# Altium PCB M5_CORE2_re.PcbDoc (part 2 of 3)
Units mm, origin at the board's own origin, x right, y up, seen from the top; angles counter-clockwise.
Board outline 48 x 49.5 mm, 4 copper layers (Top Layer, GND, PWR, Bottom Layer), stack 1.561 mm thick; 165 components, 118 nets, 612 pads, 248 vias.
Unrouted connection lines stored in the file: 4.
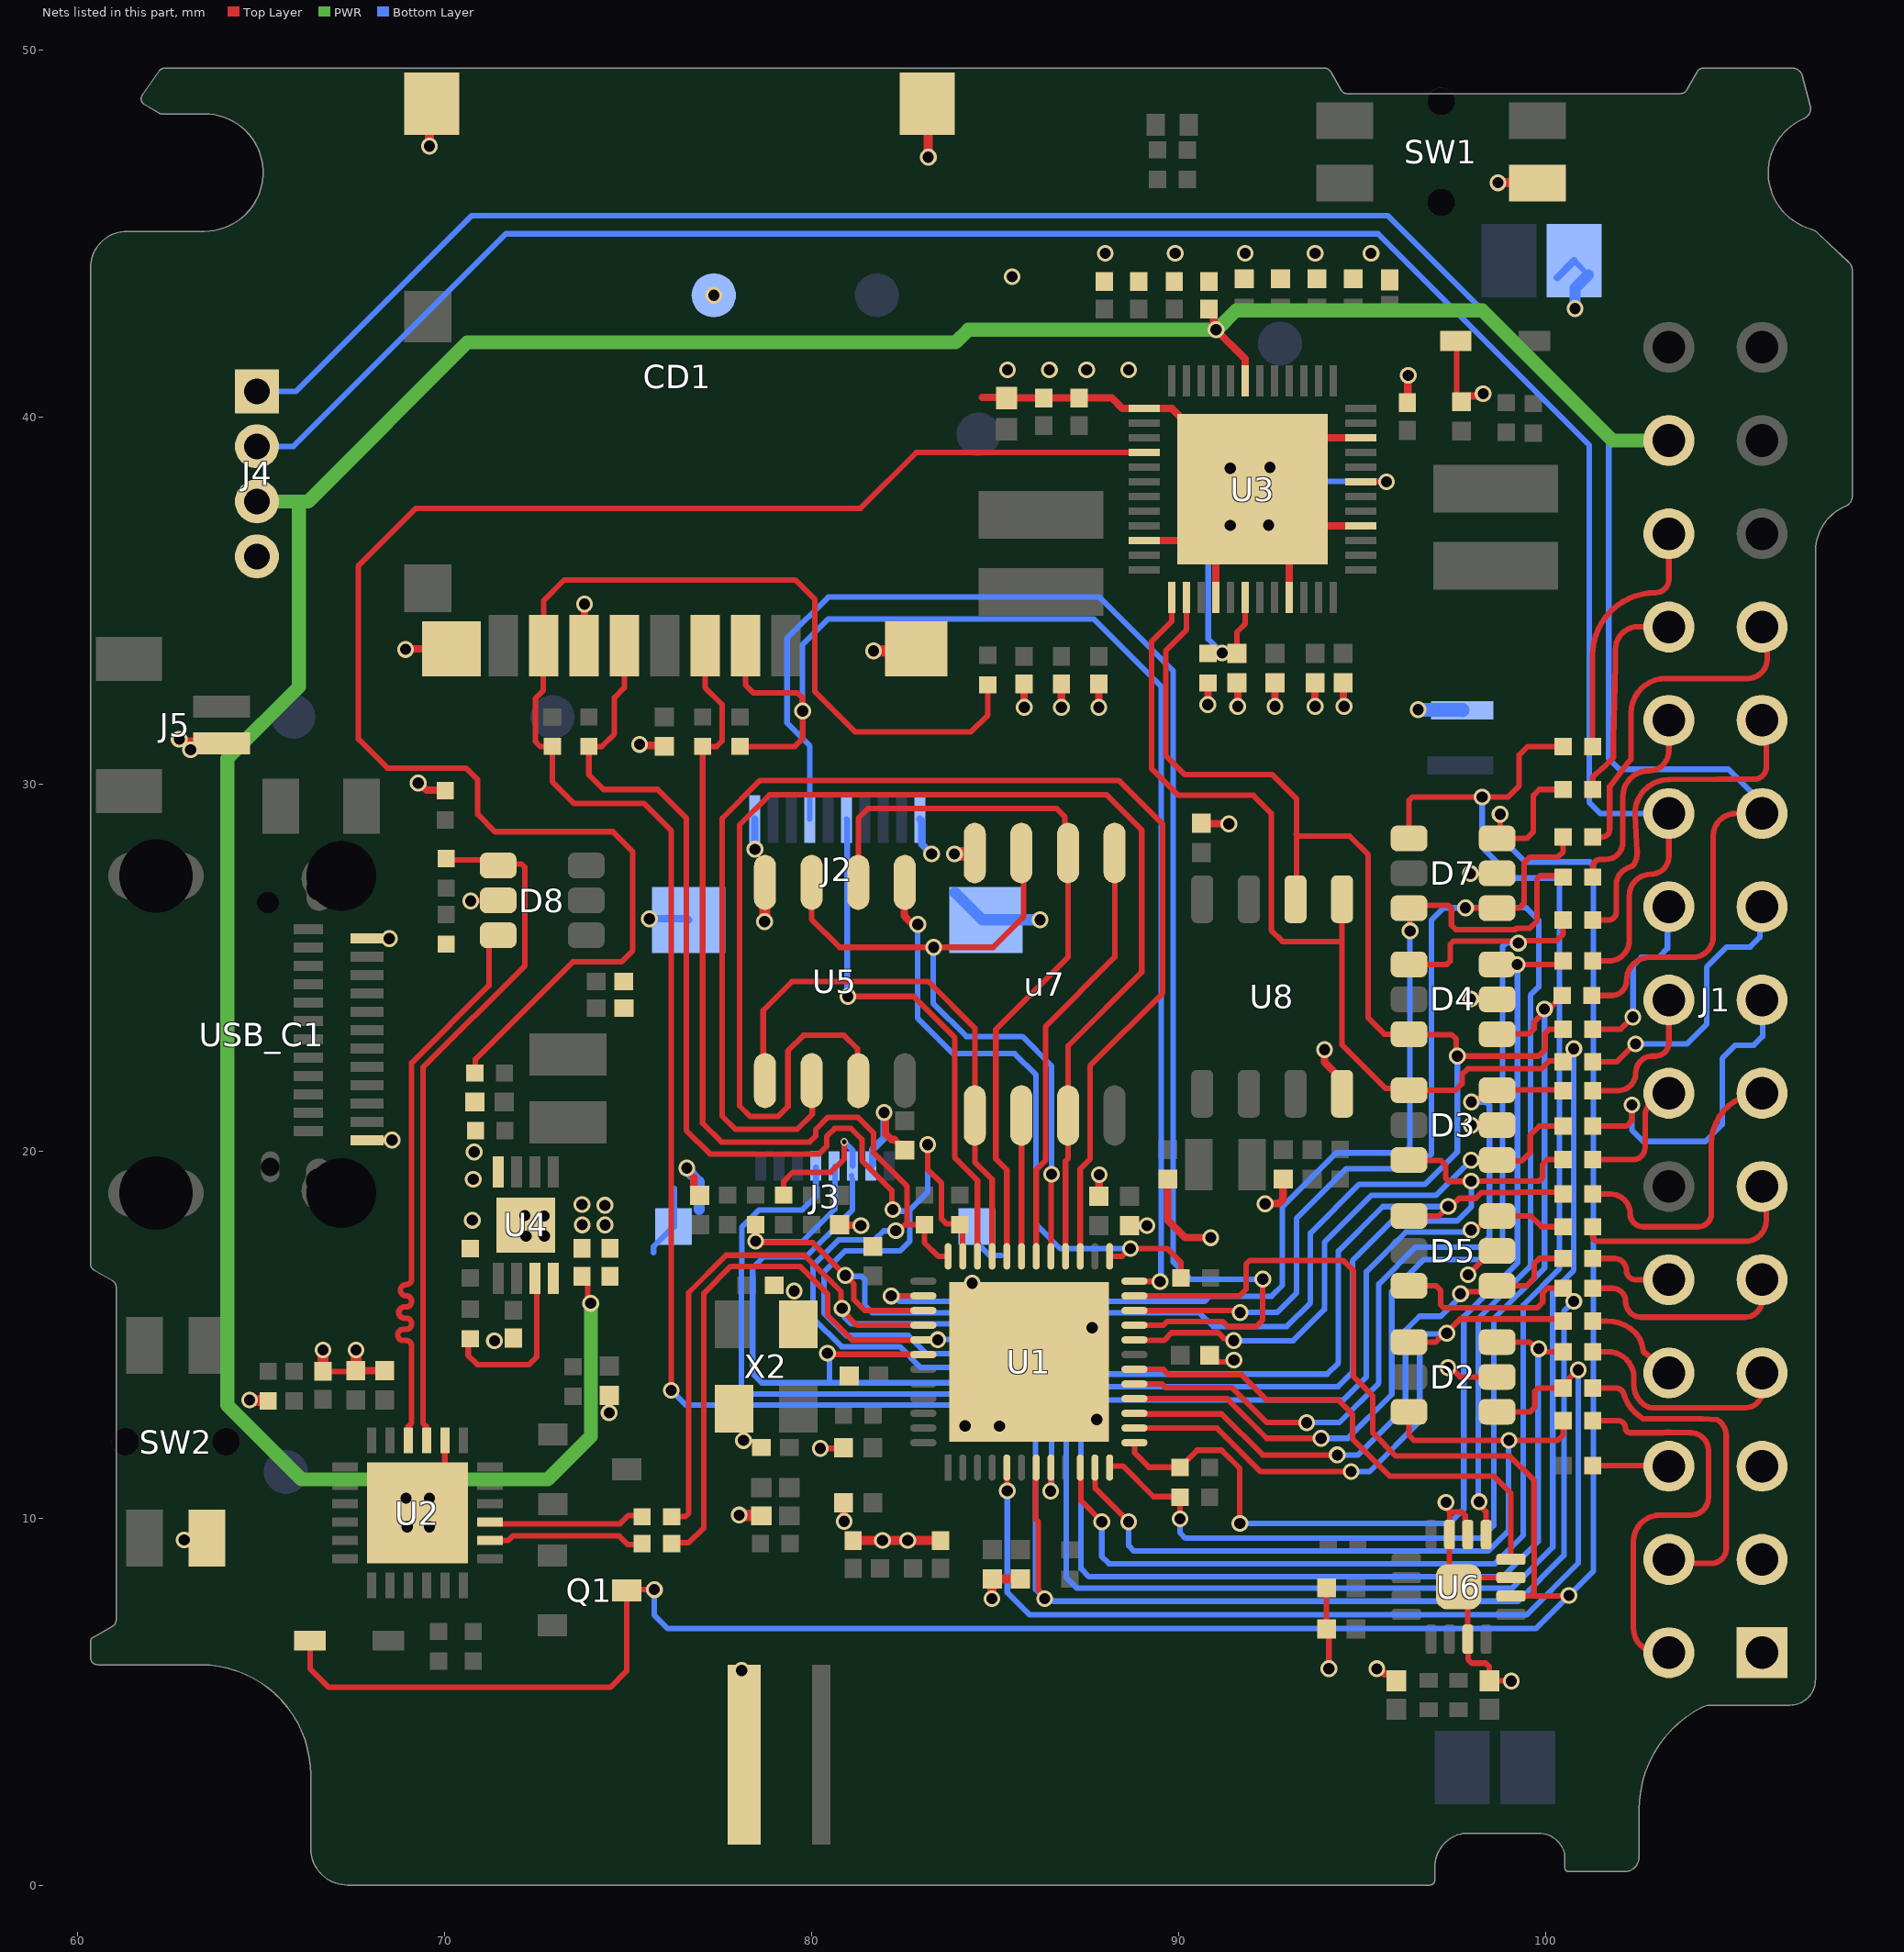
[diagram p4: the nets of this part, all layers, seen from the top]

## Part data (continued)
R6: library part CMP-2002-05265-2, "Thick Film Chip Resistors 0402 51Ω 0.0625W 1% 100ppm/°C", Case Code (Imperial)=0402, Case Code (Metric)=1005, Manufacturer=Bourns, Manufacturer Part Number=CR0402-FX-51R0GLF, Max Operating Temperature=125°C, Max Power Dissipation=63mW, Min Operating Temperature=-55°C, Package Quantity=10000, Power Rating=62.5mW, Resistance=51R, Temperature Coefficient=100ppm/°C, Tolerance=1%, Voltage Rating=50V, Case/Package=0402, Composition="Thick Film", Contact Plating=Tin, Depth=0.5mm, Height=0.016inch, Length=1mm, Military Standard=Not, Mount="Surface Mount", Number of Terminations=2, Packaging="Tape and Reel", Radiation Hardening=No, Termination=SMD/SMT, Thickness=356um, Width=0.02inch
R13: library part CMP-26527-000100-1, "200kΩ ±1% 0.063W 0402 Thick Film Chip Resistor AEC-Q200 compliant", Case Code (Imperial)=0402, Case Code (Metric)=1005, Manufacturer="Stackpole Electronics", Manufacturer Part Number=RMCF0402FT200K, Max Operating Temperature=155°C, Max Power Dissipation=63mW, Min Operating Temperature=-55°C, Resistance=200kR, Resistor Type="Thick Film", Temperature Coefficient=100ppm/°C, Tolerance=1%, Case/Package=0402, Contact Plating=Tin, Features="Automotive AEC-Q200", Height=0.016inch, Lead Free="Lead Free", Length=0.039inch, Mount="Surface Mount", Number of Terminations=2, Packaging="Tape and Reel", Power Rating=63mW, Radiation Hardening=No, RoHS Compliant=Yes, Series=RMCF, Size Code=0402, Width=0.02inch
R58: library part CMP-2002-07520-1, Manufacturer=Yageo, Manufacturer Part Number=RC0402FR-0722RL, Part Number=RC0402FR-0722RL
SW1 SW2: library part CMP-05618-000046-1, "SWITCH TACTILE SPST-NO 0.05A 12V", Actuator Color=Black, Contact Current Rating=50mA, Contact Resistance=500mR, Manufacturer=Panasonic, Max Operating Temperature=70°C, Max Voltage Rating (DC)=12V, Min Operating Temperature=-40°C, Operating Force=2.2N, Package Quantity=1, Actuator Length=1mm, Contact Plating=Silver, Current Rating=50mA, Depth=4.5mm, Electrical Life=100000Cycles, Height=1.65mm, Illumination Type=Non-Illuminated, Lead Free="Lead Free", Length=6.4mm, Manufacturer Part Number=EVQ-PUC02K, Max Current Rating=50mA, Mechanical Life=100000Cycles, Mount="Surface Mount", Orientation=Straight, Packaging="Tape and Reel", Radiation Hardening=No, RoHS Compliant=Yes, Series=EVQPU, Size=3.5mm, Switch Function=Off-Mom, Switch Travel=0.3mm, Termination="Gull Wing", Throw Configuration=SPST, Voltage Rating (DC)=12V, Width=3.5mm
TP1 TP2 TP3 TP4 TP5 TP6 TP7: library part CMP-00028-00002-2, "0.6mm round", Component Type=Mechanical, Pins=1
U1: library part CMP-194065-000007-1, "IC RF TXRX+MCU BLUETOOTH 48VFQFN", Current - Receiving=100mA, Current - Transmitting=240mA, Frequency=2.4GHz, Manufacturer="Espressif Systems", Max Operating Temperature=125°C, Min Operating Temperature=-40°C, Data Rate=150Mbps, Interface=I2C, Manufacturer Part Number=ESP32-D0WDQ6, Memory Size=520KB, Number of GPIO=34, Packaging="Tape and Reel", Sensitivity=-98dBm
U2: library part CMP-08107-000004-1, "IC SGL USB-TO-UART BRIDGE 24QFN", Ambient Temperature Range High=+125°C, Ambient Temperature Range Low=-55°C, Manufacturer="Silicon Labs", Max Supply Voltage=3.6V, Min Supply Voltage=1.8V, Nominal Supply Current=100-17000uA, Temperature="-40°C to +85°C", Temperature Range High=+85°C, Temperature Range Low=-40°C, Automotive=No, Category=IC, ComponentLink2Description=Datasheet, ComponentLink2URL=https://www.silabs.com/documents/public/data-sheets/cp2104.pdf, Device Class L1="Integrated Circuits (ICs)", Device Class L2="Interface ICs", Device Class L3=Controllers, Digikey Description="IC SGL USB-TO-UART BRIDGE 24QFN", Height=0.8mm, Interface=UART,USB, Ipc Land Pattern Name=QFN50P400X400X75-24, Lead Free=Yes, Manufacturer Part Number=CP2104-F03-GMR, Mouser Description="I/O Controller Interface IC USB to UART bridge", Octopart=https://octopart.com/cp2104-f03-gmr-silicon+labs-19668642, Package=CP2104-F03-GMR, RoHS=TRUE, Standoff Height=0mm
U3: "Integrated Circuit", Manufacturer_Name=X-Powers, Datasheet Link=http://www.x-powers.com/en.php/Info/down/id/50, Height=0.92mm, Manufacturer_Part_Number=AXP192
U4: library part SY7088DGC, "LED", Manufacturer_Name=Silergy, Datasheet Link=https://datasheet.lcsc.com/szlcsc/Silergy-Corp-SY7088DGC_C178240.pdf, Height=0.9mm, Manufacturer_Part_Number=SY7088DGC
U5: "64 Mbit serial pseudo SRAM", ComponentLink1Description=Datasheet, ComponentLink1URL=https://www.espressif.com/sites/default/files/documentation/esp-psram64_esp-psram64h_datasheet_en.pdf
U6: library part CMP-05698-000018-1, "IC AMP CLASS D MONO 3.2W 16TQFN", Manufacturer=Maxim, Max Operating Temperature=85°C, Max Output Current=1.6A, Max Output Power=3.2W, Max Power Dissipation=1.666W, Max Supply Voltage=5.5V, Min Operating Temperature=-40°C, Min Supply Voltage=2.5V, Power Supply Rejection Ratio (PSRR)=77dB, Voltage Gain=15dB, Contact Plating=Tin, Manufacturer Part Number=MAX98357AETE+T, Mount="Surface Mount", Number of Pins=16, Packaging="Tape and Reel", Radiation Hardening=No, RoHS Compliant=Yes, Series=-
u7: library part SPI_Flash_MT25QL128ABA1ESE-0SIT, "3V 128M-BIT / SERIAL NOR FLASH MEMORY", ComponentLink1Description=Datasheet, ComponentLink1URL=https://www.farnell.com/datasheets/2712422.pdf?src-supplier=Farnell
U8: library part CMP-10083-000003-1, "IC RTC CLK/CALENDAR I2C 8-SOIC", Ambient Temperature Range High=+85°C, Ambient Temperature Range Low=-40°C, Frequency=32.768kHz, Manufacturer="NXP Semiconductors", Manufacturer Part Number=PCF8563T/F4,118, Max Supply Voltage=5.5V, Min Supply Voltage=1V, Nominal Supply Current=0.225-0.95uA, Package=SOT96-1, Automotive=No, Category=IC, ComponentLink2Description=Datasheet, ComponentLink2URL=https://www.nxp.com/docs/en/data-sheet/PCF8563.pdf, Device Class L1="Integrated Circuits (ICs)", Device Class L2="Clock and Timing", Device Class L3="Real Time Clocks", Digikey Description="IC RTC CLK/CALENDAR I2C 8-SOIC", Footprint Url=https://www.nxp.com/docs/en/package-information/SOT96-1.pdf, Height=1.75mm, Interface=I2C,2-Wire, Ipc Land Pattern Name=SOIC127P600X175-8, Lead Free=Yes, Mouser Description="Real Time Clock ULTRA LO PWR CLK/CAL", Number Of Outputs=1, Octopart=https://octopart.com/pcf8563t%2Ff4%2C118-nxp+semiconductors-10476398, RoHS=TRUE, Standoff Height=0.1mm
USB_C1: "Generic typeC connector"
X1: library part CMP-27762-003430-2, "Crystal 32.768kHz ±10ppm (Tol) 9pF FUND 90kΩ 2-Pin Mini-CSMD T/R", Case/Package=CSMD, ESR (Equivalent Series Resistance)=90kR, Frequency=32.768kHz, Frequency Tolerance=10ppm, Load Capacitance=9pF, Manufacturer=Abracon, Manufacturer Part Number=ABS06-32.768KHZ-9-1-T, Max Operating Temperature=85°C, Min Operating Temperature=-40°C, Package Quantity=3000, Depth=1.2mm, Height=0.6mm, Length=2mm, Mount="Surface Mount", Number of Pins=2, Packaging="Tape and Reel", Radiation Hardening=No, REACH SVHC="No SVHC", RoHS Compliant=Yes, Series=ABS06, Series Resistance=90kR, Termination=SMD/SMT, Tolerance=10ppm, Width=1.2mm
X2: library part CMP-27762-008947-1, "Crystal 40MHz ±10ppm 10pF SMD-4 3.2mm x 2.5mm", Case/Package=SMD/SMT, ESR (Equivalent Series Resistance)=35R, Frequency=40MHz, Frequency Stability=10ppm, Load Capacitance=10pF, Manufacturer=Abracon, Manufacturer Part Number=ABM8-40.000MHZ-10-1-U-T, Max Operating Temperature=60°C, Min Operating Temperature=-10°C, Operating Frequency="40 MHz", Package Quantity=1000, Resistor Type=Ceramic, Frequency Tolerance=10ppm, Height=0.031inch, Lead Free="Lead Free", Length=0.126inch, Mount="Surface Mount", Number of Pins=4, Packaging="Tape and Reel", Radiation Hardening=No, Series=ABM8, Termination=SMD/SMT, Tolerance=10ppm, Width=0.098inch

## Via types
v1: diameter 0.457, hole 0.305, Top Layer to Bottom Layer, tented both sides, 247 vias
v2: diameter 0.203, hole 0.127, Top Layer to Bottom Layer, tented both sides, 1 vias

## Nets (pads, with @x,y where several pads share a name; then routed paths per layer and width w, separated by ;. In a path a pad name is that pad's centre, name@x,y a point inside that pad or via, vN(x,y) a via of type N, cw(c..) or ccw(c..) an arc to the next point about the centre after c; other vN are vias at no path point)
BST_EN: R25.1 U3.40 | length 45.3
  Top Layer w0.152: R25.1@70.835,22.119 70.849,22.133 70.849,22.495 73.501,25.146 74.824,25.146 75.137,25.459 75.137,28.15 74.592,28.695 71.382,28.695 70.91,29.168 70.91,30.106 70.587,30.429 68.453,30.429 67.664,31.218 67.664,35.939 69.226,37.501 81.342,37.501 82.866,39.025 U3.40@89.073,39.025
BUS_5V: C23.1 C42.2 C44.1 J1.28 J4.3 R21.1 U3.31 U4.7 U4.8 | length 90.3
  Top Layer w0.152: R21.1@70.704,14.884 70.653,14.833 70.653,14.423 70.9,14.176 72.311,14.176 72.525,14.39 72.525,16.48 U4.7@72.474,16.531 ; C44.1@73.752,16.584 73.752,16.563 73.912,16.403 73.912,16.006 73.99,15.928 v1(73.99,15.848)
  Top Layer w0.203: C23.1@90.83,42.928 90.965,42.794 90.965,42.498 91.027,42.436 v1(91.027,42.367) 91.821,41.574 91.821,40.977 U3.31@91.823,40.975
  PWR w0.381: J4.3@64.897,37.691 66.04,37.691 ; v1(73.99,15.848) 73.997,15.841 73.997,12.222 72.824,11.049 66.114,11.049 64.087,13.076 64.087,30.686 66.04,32.639 66.04,37.691 ; J1.28@103.364,39.35 101.829,39.35 98.285,42.894 91.574,42.894 91.048,42.367 84.277,42.367 83.935,42.025 70.628,42.025 66.294,37.691 66.04,37.691
BUS_PW_EN: C25.1 R7.2 U3.6 U3.19 | length 12.4
  Top Layer w0.152: R7.2@90.805,33.549 90.821,33.565 v1(91.193,33.565) ; v1@91.174,33.547 C25.1@91.593,33.547 91.593,34.126 91.823,34.355 U3.6@91.823,35.075 ; U3.19@94.973,38.225 v1(95.673,38.224)
  Bottom Layer w0.152: v1(91.193,33.565) 90.816,33.942 90.816,37.488 91.567,38.239 95.658,38.239 v1(95.673,38.224)
CP_D_N: D8.3 R49.2 U2.4 | length 16.1
  Top Layer w0.152: U2.4@69.016,12.11 69.016,12.487 69.113,12.585 69.113,14.605 69.113,14.681 ccw(c68.961,14.681) 68.961,14.833 68.886,14.833 cw(c68.886,14.986) 68.886,15.138 68.961,15.138 ccw(c68.961,15.29) 68.961,15.443 68.914,15.443 cw(c68.914,15.595) 68.914,15.748 68.961,15.748 ccw(c68.961,15.9) 68.961,16.052 cw(c68.961,16.205) 68.961,16.357 ccw(c68.961,16.51) 69.113,16.51 69.113,18.134 69.113,22.396 71.221,24.503 71.221,25.624 D8.3@71.469,25.872
CP_D_P: D8.1 R47.2 U2.3 | length 19.1
  Top Layer w0.152: U2.3@69.516,12.11 69.516,12.487 69.418,12.585 69.418,22.269 72.198,25.049 72.198,27.724 72.109,27.813 71.51,27.813 D8.1@71.469,27.772 71.316,27.926 70.089,27.926 R47.2@70.053,27.961
CP_RX: R12.1 U2.20 | length 4.3
  Top Layer w0.152: U2.20@71.241,9.385 71.743,9.385 71.868,9.51 74.767,9.51 75.006,9.271 75.366,9.271 R12.1@75.391,9.296
CP_TX: R10.1 U2.21 | length 4.4
  Top Layer w0.152: U2.21@71.11,9.842 74.79,9.842 75.006,10.058 75.366,10.058 R10.1@75.391,10.033
EXT_G0: J1.24 R50.1 | length 5.9
  Top Layer w0.152: R50.1@101.291,29.845 101.291,30.182 101.38,30.272 101.658,30.515 101.763,30.618 101.852,30.707 101.853,30.744 101.853,31.242 101.91,33.223 101.91,33.661 cw(c102.53,33.661) 102.53,34.28 103.354,34.28 J1.24@103.364,34.27
EXT_G1: J1.14 R20.1 | length 3.5
  Top Layer w0.152: R20.1@101.291,19.761 102.387,19.761 ccw(c102.387,20.091) 102.718,20.091 102.718,20.923 cw(c103.364,20.923) J1.14@103.364,21.57
EXT_G2: J1.23 R48.1 | length 9.5
  Top Layer w0.152: R48.1@101.291,28.55 101.549,28.55 ccw(c101.549,28.753) 101.752,28.753 101.752,29.579 cw(c101.905,29.578) 101.753,29.59 ccw(c101.525,29.609) 101.754,29.609 101.754,29.926 102.262,30.589 102.337,30.664 102.337,31.928 cw(c103.276,31.928) 103.276,32.868 105.512,32.868 ccw(c105.512,33.401) 106.045,33.401 106.045,34.129 ccw(c105.904,34.129) J1.23@105.904,34.27
EXT_G3: J1.13 R45.1 | length 8
  Top Layer w0.152: R45.1@101.291,18.821 101.778,18.821 cw(c101.778,18.288) 102.311,18.288 ccw(c102.667,18.288) 102.667,17.932 104.165,17.932 ccw(c104.165,18.288) 104.521,18.288 104.521,20.186 cw(c105.904,20.186) J1.13@105.904,21.57
EXT_G13: J1.15 R24.1 | length 9.2
  Top Layer w0.152: R24.1@101.291,20.676 102.21,20.676 102.355,20.821 102.355,21.244 v1(102.359,21.249)
  Bottom Layer w0.152: v1(102.359,21.249) 102.355,21.244 102.355,20.57 102.669,20.256 104.359,20.256 104.817,20.714 104.817,22.52 105.174,22.877 105.681,22.877 105.918,23.114 105.918,24.096 J1.15@105.904,24.11
EXT_G14: J1.16 R28.1 | length 4
  Top Layer w0.152: R28.1@101.291,21.641 101.981,21.641 ccw(c101.981,22.123) 102.464,22.123 cw(c102.921,22.123) 102.921,22.581 102.997,22.581 ccw(c102.997,22.948) 103.364,22.948 J1.16@103.364,24.11
EXT_G18: J1.11 R42.1 | length 6.4
  Top Layer w0.152: R42.1@101.291,17.932 101.291,17.657 101.301,17.63 ccw(c101.443,17.686) 101.443,17.534 105.443,17.534 ccw(c105.443,18.11) 106.02,18.11 106.02,18.914 ccw(c105.904,18.914) J1.11@105.904,19.03
EXT_G19: J1.22 R46.1 | length 5.5
  Top Layer w0.152: R46.1@101.291,27.457 101.291,27.733 cw(c101.498,27.733) 101.498,27.94 101.651,27.94 ccw(c101.651,28.397) 102.108,28.397 102.108,29.642 cw(c102.819,29.642) 102.819,30.353 ccw(c102.819,30.898) 103.364,30.898 J1.22@103.364,31.73
EXT_G21: J1.17 R30.1 | length 7.7
  Top Layer w0.152: R30.1@101.291,22.428 101.95,22.428 102.433,22.911 v1(102.461,22.911)
  Bottom Layer w0.152: v1(102.461,22.911) 103.856,22.911 104.394,23.449 104.394,25.005 104.94,25.551 105.58,25.551 105.844,25.815 105.844,26.589 J1.17@105.904,26.65
EXT_G22: J1.18 R31.1 | length 4.9
  Top Layer w0.152: R31.1@101.291,23.317 102.058,23.317 v1(102.386,23.645)
  Bottom Layer w0.152: v1@102.39,23.65 102.39,25.047 102.616,25.273 103.086,25.273 103.327,25.515 103.327,26.612 J1.18@103.364,26.65
EXT_G23: J1.7 R27.1 | length 6.3
  Top Layer w0.152: R27.1@101.291,14.529 101.702,14.529 cw(c101.702,13.818) 102.413,13.818 102.413,13.623 ccw(c103.073,13.623) 102.791,13.025 102.793,13.025 ccw(c102.855,13.164) 102.838,13.013 102.906,13.005 105.461,13.005 ccw(c105.461,13.448) 105.904,13.448 J1.7@105.904,13.95
EXT_G25: J1.8 R29.1 | length 2.8
  Top Layer w0.152: R29.1@101.291,15.367 101.676,15.367 cw(c101.676,14.276) 102.447,15.048 cw(c101.94,14.54) 102.649,14.648 cw(c101.94,14.54) 102.655,14.597 ccw(c102.807,14.61) 102.708,14.494 ccw(c103.215,15.098) 103.179,14.31 103.219,14.27 103.24,14.249 J1.8@103.364,13.95
EXT_G26: J1.10 R34.1 | length 2.4
  Top Layer w0.152: R34.1@101.291,17.069 101.879,17.069 cw(c101.879,16.739) 102.21,16.739 ccw(c102.459,16.739) 102.459,16.49 J1.10@103.364,16.49
EXT_G27: J1.21 R44.1 | length 9.3
  Top Layer w0.152: R44.1@101.291,26.289 101.727,26.289 ccw(c101.727,26.492) 101.93,26.492 101.93,27.239 ; 101.93,27.24 cw(c102.431,27.24) 102.23,27.699 102.35,27.751 ccw(c102.289,27.891) 102.397,27.783 102.411,27.798 ccw(c101.86,28.127) 102.502,28.156 102.442,29.134 cw(c103.364,29.19) 103.357,30.113 104.68,30.124 cw(c104.699,27.94) 104.699,30.124 105.689,30.124 ccw(c105.689,30.455) 106.02,30.455 106.02,31.614 ccw(c105.904,31.614) J1.21@105.904,31.73
EXT_G32: J1.19 J4.1 R33.1 | length 63.7
  Top Layer w0.152: R33.1@101.266,24.232 101.803,24.232 ccw(c101.803,24.638) 102.21,24.638 cw(c102.845,24.638) 102.845,25.273 104.013,25.273 ccw(c104.013,25.832) 104.572,25.832 104.572,28.575 cw(c105.186,28.575) 105.186,29.19 J1.19@105.904,29.19
  Bottom Layer w0.152: J4.1@64.897,40.691 65.964,40.691 70.752,45.479 95.708,45.479 98.031,43.157 98.031,43.152 98.165,43.018 98.169,43.018 101.727,39.461 101.727,30.683 102.015,30.395 104.987,30.395 105.904,29.478 J1.19@105.904,29.19
EXT_G33: J1.20 J4.2 R41.1 | length 58.5
  Top Layer w0.152: R41.1@101.291,25.171 101.727,25.171 ccw(c101.727,25.73) 102.286,25.73 102.286,26.949 cw(c102.87,26.949) 102.87,27.534 ccw(c102.87,28.028) 103.364,28.028 J1.20@103.364,29.19
  Bottom Layer w0.152: J4.2@64.897,39.191 65.89,39.191 71.68,44.981 95.443,44.981 101.194,39.23 101.194,29.489 101.493,29.19 J1.20@103.364,29.19
EXT_G34: J1.26 R52.1 | length 7
  Top Layer w0.152: R52.1@101.282,31.022 101.282,33.49 cw(c102.997,33.49) 101.438,34.205 cw(c102.997,33.49) 102.282,35.048 cw(c102.997,33.49) 102.997,35.204 ccw(c102.997,35.572) 103.364,35.572 J1.26@103.364,36.81
EXT_G35: J1.2 R18.1 | length 11.3
  Top Layer w0.152: R18.1@101.291,12.649 101.981,12.649 cw(c101.981,12.446) 102.184,12.446 ccw(c102.311,12.446) 102.311,12.319 103.191,12.319 ccw(c103.19,12.471) 103.214,12.321 cw(c103.364,11.41) 103.39,12.333 103.958,12.319 ccw(c103.962,12.471) 103.962,12.319 cw(c103.962,11.836) 104.445,11.836 104.445,10.561 cw(c103.962,10.561) 103.962,10.078 103.128,10.078 ccw(c103.128,9.347) 102.397,9.347 102.397,7.01 ccw(c103.078,7.01) 102.756,6.411 ccw(c103.078,7.01) 103.078,6.33 J1.2@103.364,6.33
EXT_G36: J1.4 R22.1 | length 9.3
  Top Layer w0.152: R22.1@101.291,13.538 101.914,13.538 cw(c101.914,13.281) 102.069,13.486 cw(c101.976,13.365) 102.081,13.476 cw(c101.976,13.365) 102.113,13.433 cw(c101.976,13.365) 102.119,13.418 102.169,13.285 ccw(c103.073,13.623) 102.17,13.281 ccw(c103.189,13.667) 102.548,12.786 102.666,12.7 104.277,12.7 104.681,12.678 cw(c104.419,12.243) 104.927,12.243 104.927,9.169 cw(c104.521,9.169) 104.521,8.763 103.471,8.763 cw(c103.471,8.87) J1.4@103.364,8.87
EXT_G38: J1.9 R32.1 | length 5.9
  Top Layer w0.152: R32.1@101.291,16.256 101.829,16.256 cw(c101.829,15.9) 102.184,15.9 ccw(c102.616,15.9) 102.616,15.469 105.435,15.469 ccw(c105.435,15.938) 105.904,15.938 J1.9@105.904,16.49
EXT_RST: J1.6 R51.1 | length 2.1
  Top Layer w0.152: R51.1@101.291,11.43 103.344,11.43 J1.6@103.364,11.41
GND: ANT1.2 BT1.2 C1.1 C2.2 C3.1 C4.2 C5.2 C6.1 C7.1 C8.1 C9.2 C10.1 C11.2 C12.2 C13.2 C14.1 C15.1 C16.1 C17.1 C18.2 C19.2 C20.2 C21.2 C22.2 C23.2 C24.1 C25.2 C26.2 C27.1 C29.1 C30.1 C31.2 C32.2 C33.1 C34.1 C35.1 C36.1 C37.2 C38.2 C39.1 C40.2 C41.2 C42.1 C43.2 C44.2 C45.1 C46.2 C47.1 C48.1 C49.2 C50.2 C51.1 C52.1 C53.1 C55.2 C56.2 C57.2 CD1.6 CD1.11 CD1.12 CD1.13 CD1.14 D2.2 D3.2 D4.2 D5.2 D7.2 D8.2 D9.2 J1.1 J1.3 J1.5 J2.1 J2.10 J2.M1 J2.M2 J3.2 J3.MP1 J3.MP2 J4.4 J5.2 p2.2 R4.2 R5.2 R7.1 R13.2 R23.2 R26.2 SW1.3 SW2.1 TP1.1 U1.49 U2.2 U2.25 U3.4 U3.9 U3.16 U3.22 U3.37 U3.46 U3.49 U4.4 U4.9 U5.4 U6.2 U6.3 U6.11 U6.15 U6.17 u7.4 U8.4 USB_C1.A1 USB_C1.A12 X2.2 X2.4 | length 102.7
  Top Layer w0.152: v1(62.916,9.398) 63.486,9.398 SW2.1@63.537,9.449 ; C18.2@66.694,13.999 C18.2@66.7,13.993 C19.2@67.568,13.993 ; C19.2@67.589,14.014 C19.2@67.595,14.02 ; USB_C1.A12@67.897,20.29 67.899,20.292 68.576,20.292 v1(68.578,20.294) ; USB_C1.A1@67.897,25.79 67.9,25.787 68.501,25.787 v1(68.504,25.783) ; U2.25@69.266,10.135 U2.25@69.266,10.287 ; v1(69.596,10.541) 69.342,10.287 U2.25@69.266,10.287 ; CD1.11@69.596,48.463 CD1.11@69.655,48.521 ; U2.2@70.016,12.11 70.016,11.037 U2.25@69.266,10.287 ; v1(70.721,26.806) 70.729,26.814 71.647,26.814 D8.2@71.656,26.822 ; ANT1.2@78.113,3.588 ANT1.2@78.128,3.603 ; U5.4@78.689,27.54 U5.4@78.734,27.495 ; v1(78.729,26.244) v1@78.734,26.249 ; v1(80.246,11.894) 80.861,11.894 C16.1@80.88,11.913 ; C13.2@81.14,9.382 C13.2@81.145,9.387 ; C49.2@82.546,20.018 C49.2@82.55,20.022 ; CD1.13@82.8,33.617 CD1.13@82.855,33.671 ; u7.4@84.299,28.086 u7.4@84.458,28.246 ; C6.1@90.853,14.434 91.035,14.252 91.467,14.252 v1(91.515,14.3) ; C47.1@94.038,7.897 C48.1@94.038,6.979 94.102,6.915 v1(94.102,5.893) ; C50.2@95.921,5.551 C50.2@95.936,5.566 ; v1(97.294,10.426) 97.352,10.368 97.352,10.216 97.392,10.176 97.392,10.158 ; v1(97.347,14.093) 97.427,14.093 97.678,13.843 98.269,13.843 98.472,14.046 98.472,14.056 D2.2@98.685,13.843 ; D9.2@97.558,42.062 97.587,42.034 C37.2@97.587,40.405 ; U6.17@97.638,8.661 97.847,8.452 U6.17@97.968,8.452 ; U6.2@97.888,9.547 97.814,9.621 97.814,10.069 97.725,10.158 97.392,10.158 ; v1(97.898,16.627) 97.898,16.631 98.539,17.272 D5.2@98.685,17.272 ; v1(97.957,27.553) 97.96,27.556 98.688,27.556 D7.2@98.691,27.553 ; v1(97.962,24.136) 97.965,24.133 98.698,24.133 D4.2@98.7,24.13 ; v1(97.983,20.693) 97.987,20.697 D3.2@98.704,20.697 ; U6.15@99.063,8.372 99.058,8.377 98.094,8.377 97.994,8.478 U6.17@97.968,8.452 ; v1(99.073,5.558) 98.484,5.558 C51.1@98.476,5.566 98.476,5.944 98.374,6.045 97.995,6.045 97.894,6.147 97.894,6.692 U6.11@97.888,6.697 97.888,7.872 U6.17@97.638,8.122 ; 97.392,10.158 97.392,9.551 U6.3@97.388,9.547 97.388,8.372 U6.17@97.638,8.122 ; U6.17@97.638,8.122 U6.17@97.968,8.452
  Top Layer w0.203: v1(62.781,31.212) 62.828,31.165 63.862,31.165 J5.2@63.929,31.098 ; C19.2@67.568,13.993 C19.2@67.589,14.014 C5.2@68.377,14.014 ; v1(68.944,33.66) 68.956,33.671 CD1.14@70.195,33.671 ; v1(69.291,30.019) 69.331,30.019 69.524,29.825 69.893,29.825 69.928,29.79 R4.2@70.002,29.79 ; CD1.6@73.805,33.761 73.823,33.779 v1(73.823,34.894) ; v1(74.493,12.864) 74.498,12.869 C27.1@74.498,13.341 ; v1(75.322,31.073) 75.349,31.045 75.971,31.045 C43.2@75.998,31.018 ; v1(76.609,19.531) 76.609,19.463 76.804,19.268 76.804,18.948 C52.1@76.962,18.79 ; C46.2@80.772,17.99 80.787,17.975 81.34,17.975 v1(81.354,17.96) ; C7.1@80.88,10.414 80.89,10.405 80.89,9.915 v1(80.899,9.906) ; C8.1@81.68,17.393 C8.1@81.708,17.365 ; v1(81.985,21.045) 82.025,21.006 82.025,20.467 82.185,20.308 82.264,20.308 82.544,20.028 C49.2@82.544,20.018 ; 84.663,40.522 85.306,40.522 C2.2@85.319,40.51 ; C2.2@85.319,40.51 C4.2@86.335,40.511 C11.2@87.3,40.511 88.191,40.511 88.475,40.227 89.071,40.227 U3.37@89.073,40.225 89.823,40.225 U3.49@91.433,38.615 ; v1@85.8,32.082 C3.1@85.8,32.717 ; v1@86.816,32.069 C10.1@86.816,32.717 ; C14.1@87.831,18.843 87.84,18.852 87.84,19.343 v1(87.847,19.35) ; C1.1@87.832,32.717 87.833,32.715 v1(87.833,32.08) ; C55.2@88.601,17.97 88.608,17.963 89.147,17.963 v1(89.149,17.961) ; U3.46@89.073,36.625 90.623,36.625 U3.49@91.023,37.025 ; C57.2@89.706,19.19 89.706,18.117 90.188,17.635 v1(90.882,17.635) ; C53.1@90.627,28.924 90.635,28.916 91.368,28.916 v1(91.376,28.908) ; v1(90.805,32.156) R7.1@90.805,32.745 ; U3.4@91.023,35.075 U3.49@91.023,37.025 ; v1(91.415,38.597) 91.451,38.597 U3.49@91.666,38.382 ; C25.2@91.593,32.747 91.618,32.722 v1(91.618,32.106) ; v1(92.366,18.558) 92.37,18.561 92.734,18.561 92.853,18.68 92.853,19.225 C56.2@92.862,19.234 ; v1(92.497,38.62) 92.497,38.591 93.023,38.066 U3.49@93.023,37.025 ; C30.1@92.532,32.747 92.634,32.645 v1(92.634,32.106) ; U3.9@93.023,35.075 U3.49@93.023,37.025 ; v1(93.726,32.106) C33.1@93.726,32.747 ; v1(93.986,22.759) 93.983,22.755 93.983,22.412 94.463,21.932 U8.4@94.463,21.556 ; v1@94.488,32.131 94.492,32.135 94.492,32.743 C36.1@94.488,32.747 ; U3.16@94.973,37.025 U3.49@93.023,37.025 ; U3.22@94.973,39.425 93.423,39.425 92.543,38.546 U3.49@92.023,38.025 U3.49@91.666,38.382 ; v1(95.408,5.891) 95.477,5.891 95.614,5.754 95.768,5.754 95.921,5.601 C50.2@95.921,5.551 ; C38.2@96.241,40.384 96.252,40.395 96.252,41.112 v1(96.264,41.123) ; C37.2@97.587,40.405 97.596,40.395 97.764,40.563 98.177,40.563 98.237,40.624 v1(98.306,40.624) ; SW1.3@99.773,46.372 SW1.3@99.78,46.365 ; U3.49@91.023,37.025 91.034,37.037 91.541,37.037 91.666,37.162 U3.49@91.666,38.382
  Top Layer w0.254: v1(69.596,47.371) CD1.11@69.596,48.463 ; C13.2@81.145,9.387 v1(81.941,9.387) v1(82.627,9.387) ; v1@82.628,9.388 C12.2@83.515,9.388 ; CD1.12@83.155,48.521 83.187,48.489 v1(83.187,47.07) ; v1(84.923,7.803) 84.923,8.323 C9.2@84.938,8.338 C17.1@85.7,8.338 ; v1(98.71,46.372) SW1.3@99.773,46.372
  Top Layer w0.305: v1(64.695,13.213) 64.708,13.2 65.189,13.2 R5.2@65.202,13.187 ; C18.2@66.694,13.999 v1@66.694,14.449 ; C19.2@67.595,14.02 v1@67.595,14.449 ; v1(78.035,10.079) 78.046,10.069 78.629,10.069 C34.1@78.639,10.058 ; v1(78.105,5.842) 78.106,3.626 ANT1.2@78.128,3.603 ; v1@78.734,26.249 U5.4@78.734,27.495 ; v1(81.694,33.617) CD1.13@82.8,33.617
  Top Layer w0.381: v1(83.9,28.086) u7.4@84.299,28.086
  Bottom Layer w0.152: 75.692,17.221 75.702,17.231 75.702,17.395 76.238,17.931 J3.MP2@76.268,17.931 ; J3.MP2@76.276,17.931 76.276,18.974 ; J3.MP1@84.537,17.474 84.864,17.147 85.176,17.147 ; J2.M1@84.664,26.289 J2.M1@84.757,26.289 ; p2.2@100.787,44.247 p2.2@101.172,43.862
  Bottom Layer w0.203: v1(75.591,26.321) 76.625,26.321 J2.M2@76.657,26.289 ; J2.10@78.457,29.039 78.461,29.035 78.461,28.22 v1(78.465,28.216) ; J3.2@81.628,19.583 81.676,19.632 81.676,20.041 81.985,20.35 v1(81.985,21.045) ; J2.1@82.957,29.039 83.006,28.991 83.006,28.356 v1(83.276,28.086) ; p2.2@100.328,43.788 p2.2@100.787,44.247
  Bottom Layer w0.305: v1(76.609,19.531) 76.609,19.49 76.943,19.157 76.943,18.397 ; J2.M1@83.916,27.037 J2.M1@84.664,26.289 ; J2.M1@84.757,26.289 84.762,26.293 v1(86.232,26.293) ; v1(100.807,42.943) 100.807,43.497 p2.2@101.172,43.862
  Bottom Layer w0.381: v1(96.534,32.02) 96.542,32.012 97.731,32.012 BT1.2@97.739,32.004
  other v1: 68.989,9.757 69.594,9.757 68.961,10.541 78.154,12.11 84.191,12.506 85.127,12.498 87.776,12.682 66.694,14.576 67.595,14.576 71.368,14.827 87.652,15.182 79.534,16.183 84.382,16.395 72.227,17.672 72.728,17.682 73.759,17.984 74.38,17.983 70.767,18.11 72.718,18.222 72.198,18.237 74.376,18.516 73.751,18.54 70.792,19.228 70.814,19.968 63.092,30.925 85.801,32.08 86.817,32.08 94.513,32.106 91.414,37.037 92.46,37.044 85.344,41.275 86.487,41.275 87.503,41.275 88.646,41.275 77.343,43.307 85.471,43.815 88.011,44.45 89.916,44.45 91.821,44.45 93.726,44.45 95.25,44.45
GPIO0: D1.1 D7.3 Q1.3 R50.2 U1.23 U6.14 | length 87.3
  Top Layer w0.152: D1.1@66.342,6.655 66.342,5.896 66.853,5.385 74.524,5.385 74.967,5.828 Q1.3@74.967,8.031 ; Q1.3@75.07,8.182 75.205,8.047 v1@75.598,8.047 ; U1.23@88.805,16.049 91.665,16.049 91.846,16.231 91.846,16.916 91.948,17.018 94.488,17.018 94.767,16.739 94.767,13.856 95.299,13.324 95.299,12.319 95.932,11.686 99.032,11.686 99.69,11.028 99.69,9.074 99.692,9.073 99.692,8.171 99.69,8.17 99.69,7.872 ; v1(98.769,29.169) 98.769,28.655 98.623,28.509 99.488,28.509 99.673,28.694 99.673,29.684 99.833,29.845 R50.2@100.487,29.845 ; U6.14@99.063,7.872 99.69,7.872 ; v1(100.644,7.886) 100.629,7.872 99.69,7.872
  Bottom Layer w0.152: v1(75.725,8.047) 75.725,7.348 76.088,6.985 99.742,6.985 v1(100.644,7.886) 101.314,8.556 101.314,25.914 101.314,26.006 101.314,27.772 101.216,27.87 99.449,27.87 98.773,28.546 v1@98.773,29.165
GPIO1: D3.6 R12.2 R20.2 U1.41 | length 40
  Top Layer w0.152: R12.2@76.196,9.296 76.221,9.322 76.657,9.322 77.073,9.737 77.073,16.121 77.804,16.853 79.693,16.853 80.448,16.098 80.448,15.513 81.115,14.845 U1.41@83.047,14.845 ; U1.41@83.051,14.849 83.056,14.854 v1(83.448,14.854) ; D3.6@96.249,19.738 97.152,19.738 97.282,19.608 97.282,19.259 97.371,19.17 97.976,19.17 v1(97.98,19.174) 97.981,19.172 99.177,19.172 99.182,19.177 99.829,19.177 99.923,19.271 99.923,19.628 100.056,19.761 R20.2@100.487,19.761
  Bottom Layer w0.152: v1(83.448,14.854) 83.453,14.859 86.106,14.859 87.385,13.58 94.352,13.58 94.742,13.97 94.742,17.004 95.831,18.093 97.598,18.093 97.987,18.482 v1@97.987,19.167
GPIO2: D7.1 R48.2 U1.22 U6.1 | length 42.5
  Top Layer w0.152: U1.22@88.805,15.649 88.811,15.655 91.337,15.655 91.338,15.654 91.624,15.654 v1(91.682,15.596) ; v1(97.825,26.621) 97.831,26.615 98.679,26.615 D7.1@98.685,26.609 99.285,26.609 99.419,26.743 99.419,27.84 99.582,28.003 100.342,28.003 100.487,28.147 R48.2@100.487,28.55 ; v1(98.196,10.441) 98.196,10.358 98.383,10.172 98.383,9.552 U6.1@98.388,9.547
  Bottom Layer w0.152: v1(91.682,15.596) 92.693,15.596 93.218,16.121 93.218,18.157 94.576,19.515 96.498,19.515 96.901,19.918 96.901,26.289 97.231,26.619 97.823,26.619 v1(97.825,26.621) 99.477,26.621 99.82,26.278 99.82,24.47 99.593,24.243 99.593,16.859 98.171,15.437 98.171,10.466 v1(98.196,10.441)
GPIO3: D5.4 R10.2 R45.2 U1.40 | length 40
  Top Layer w0.152: R10.2@76.196,10.033 76.57,10.033 76.659,10.122 76.659,16.138 77.678,17.157 79.819,17.157 80.809,16.167 80.809,15.741 v1(80.841,15.71) 80.841,15.652 81.243,15.249 U1.40@83.051,15.249 ; D5.4@96.235,18.222 97.087,18.222 97.354,18.489 v1(97.354,18.49) ; v1@97.348,18.483 97.432,18.483 97.656,18.707 98.099,18.707 98.26,18.868 99.304,18.868 99.308,18.872 R45.2@100.487,18.872
  Bottom Layer w0.152: v1(80.841,15.71) 80.899,15.652 80.899,15.475 81.087,15.287 86.16,15.287 87.528,13.919 94.056,13.919 94.361,14.224 94.361,17.27 95.572,18.481 v1@97.354,18.481
GPIO4: CD1.2 R15.1 U1.24 | length 35.2
  Top Layer w0.152: R15.1@78.056,31.016 79.552,31.016 79.765,31.229 v1(79.765,31.98) 79.765,32.331 79.621,32.474 78.423,32.474 78.205,32.693 CD1.2@78.205,33.761 ; U1.24@88.805,16.449 88.81,16.445 89.498,16.445 v1(89.502,16.44)
  Bottom Layer w0.152: v1(79.765,31.98) 79.756,31.988 79.756,33.786 80.461,34.491 87.693,34.491 89.53,32.655 89.53,17.376 ; v1(89.502,16.44) 89.529,16.467 89.529,17.375
GPIO5: J2.5 U1.34 | length 14.4
  Top Layer w0.152: v1(80.996,24.207) 82.787,24.207 83.91,23.085 83.91,19.809 84.528,19.191 U1.34@84.528,17.127
  Bottom Layer w0.152: J2.5@80.957,29.039 80.977,29.019 80.977,24.227 v1(80.996,24.207)
GPIO6: U1.31 u7.6 | length 4
  Top Layer w0.152: U1.31@85.728,17.127 u7.6@85.728,21.146
GPIO7: U1.32 U5.2 u7.2 | length 20.5
  Top Layer w0.152: U5.2@81.28,27.313 81.28,29.059 81.546,29.324 86.687,29.324 86.913,29.099 86.913,28.331 86.998,28.246 86.998,26.829 ; U1.32@85.328,17.127 85.328,19.482 85.027,19.784 85.027,23.305 86.998,25.276 86.998,26.804
GPIO8: U1.33 U5.5 u7.5 | length 15.6
  Top Layer w0.152: U5.5@78.689,21.283 78.689,23.825 79.477,24.613 83.185,24.613 84.458,23.339 84.458,21.146 84.458,19.692 84.928,19.222 U1.33@84.928,17.127
GPIO9: U1.28 U5.7 u7.7 | length 38
  Top Layer w0.152: U5.7@81.286,21.919 81.259,21.946 81.259,22.784 80.896,23.148 79.786,23.148 79.366,22.728 79.366,21.205 79.095,20.934 78.339,20.934 78.047,21.226 78.047,28.878 78.864,29.695 88.047,29.695 89.002,28.741 89.002,24.867 86.998,22.863 86.998,20.961 86.998,19.79 86.928,19.72 U1.28@86.928,17.127
GPIO10: U1.29 U5.3 u7.3 | length 20.2
  Top Layer w0.152: U5.3@80.003,27.584 80.008,27.579 80.008,26.312 80.775,25.545 v1(83.334,25.545) 84.958,25.545 85.779,26.366 u7.3@85.779,28.195 ; U1.29@86.528,17.127 86.536,17.134 86.536,19.351 v1(86.547,19.362)
  Bottom Layer w0.152: v1(83.334,25.545) 83.324,25.536 83.324,24.012 84.222,23.114 85.748,23.114 86.547,22.315 v1(86.547,19.362)
GPIO11: U1.30 u7.1 | length 12
  Top Layer w0.152: U1.30@86.128,17.127 86.128,19.482 86.389,19.743 86.389,23.397 88.268,25.276 u7.1@88.268,28.246
GPIO12: U1.18 U6.16 | length 13.9
  Top Layer w0.152: U1.18@88.805,14.049 89.594,14.049 89.745,13.898 91.727,13.898 92.417,13.208 94.361,13.208 94.742,12.827 94.742,12.158 95.765,11.135 98.602,11.135 99.063,10.674 U6.16@99.063,8.872
GPIO13: D3.1 R24.2 U1.20 | length 15.6
  Top Layer w0.152: U1.20@88.805,14.849 88.813,14.842 89.104,14.842 89.109,14.837 89.612,14.837 89.818,15.043 91.087,15.043 91.238,14.892 91.452,14.892 v1(91.51,14.834) ; v1(97.98,19.746) 97.982,19.749 98.687,19.749 98.715,19.721 99.35,19.721 99.59,19.961 99.59,20.43 99.836,20.676 R24.2@100.487,20.676
  Bottom Layer w0.152: v1@91.518,14.826 93.127,14.826 93.98,15.679 93.98,17.511 95.255,18.786 97.012,18.786 97.973,19.746 v1(97.98,19.746)
GPIO14: D3.3 R28.2 U1.17 | length 20.5
  Top Layer w0.152: U1.17@88.805,13.649 89.563,13.649 89.658,13.554 91.455,13.554 92.414,12.596 v1(93.499,12.596) ; v1(97.983,21.333) 98.066,21.333 98.171,21.438 98.472,21.438 98.693,21.658 100.469,21.658 R28.2@100.487,21.641
  Bottom Layer w0.152: v1(93.499,12.596) 94.384,12.596 95.46,13.672 95.46,16.371 96.465,17.376 98.199,17.376 98.478,17.655 98.478,21.235 98.389,21.325 v1@97.992,21.325
GPIO15: J2.7 U1.21 | length 40.5
  Top Layer w0.152: U1.21@88.805,15.249 89.594,15.249 89.694,15.35 91.211,15.35 91.346,15.215 92.124,15.215 92.293,15.384 92.293,16.499 v1(92.303,16.508)
  Bottom Layer w0.152: J2.7@79.957,29.039 79.957,31.041 79.341,31.657 79.341,33.964 80.462,35.084 87.852,35.084 89.863,33.073 89.863,16.973 90.333,16.502 v1@92.297,16.502
GPIO16: R43.2 U1.25 U5.1 | length 17.3
  Top Layer w0.152: U1.25@88.128,17.127 88.465,17.127 v1@88.676,17.338 ; v1@88.698,17.335 89.701,17.335 90.073,16.963 R43.2@90.073,16.535
  Top Layer w0.203: U5.1@82.55,27.295 82.533,27.277 82.533,26.396 82.71,26.219 82.853,26.219 v1(82.9,26.172)
  Bottom Layer w0.152: v1@82.893,26.164 82.893,23.624 83.869,22.648 85.545,22.648 86.125,22.068 86.125,17.996 86.783,17.338 v1(88.695,17.338)
GPIO17: U1.27 U5.6 | length 37.4
  Top Layer w0.152: U5.6@80.01,21.913 80.027,21.895 80.027,20.998 79.622,20.592 77.929,20.592 77.572,20.95 77.572,29.058 78.605,30.091 88.376,30.091 89.574,28.893 89.574,24.296 87.592,22.314 87.592,19.774 87.328,19.51 U1.27@87.328,17.127
GPIO18: CD1.5 D5.3 R17.1 R38.2 R42.2 U1.35 | length 59.3
  Top Layer w0.152: CD1.5@74.905,33.761 74.905,32.614 74.638,32.347 74.638,31.357 74.295,31.013 73.944,31.013 R17.1@73.941,31.016 73.941,30.25 74.346,29.845 75.819,29.845 76.594,29.07 76.594,20.561 77.238,19.917 80.211,19.917 80.426,20.133 80.426,20.403 80.635,20.612 81.084,20.612 81.383,20.313 81.383,19.734 82.194,18.923 82.194,18.427 v1(82.221,18.4) ; v1(83.169,20.167) 83.169,19.499 83.548,19.121 83.548,18.139 83.673,18.014 83.954,18.014 R38.2@84.027,17.941 ; R38.2@84.072,17.911 84.125,17.753 84.125,17.429 84.128,17.389 U1.35@84.128,17.127 ; v1(97.979,17.847) 98.038,17.905 98.165,17.905 98.482,18.222 99.609,18.222 99.898,17.932 R42.2@100.487,17.932
  Bottom Layer w0.152: v1(82.221,18.4) 82.265,18.357 82.652,18.357 82.682,18.387 ; v1(83.169,20.167) 83.169,18.874 82.682,18.387 ; v1(97.979,17.847) 97.921,17.788 96.202,17.788 95.123,16.71 95.123,13.843 94.488,13.208 87.274,13.208 86.009,14.473 83.142,14.473 82.645,14.97 80.952,14.97 80.348,15.575 80.348,16.704 80.918,17.275 82.418,17.275 82.686,17.543 82.686,17.985 82.682,17.989 82.682,18.387
GPIO19: D7.6 R46.2 U1.38 | length 30.8
  Top Layer w0.152: v1(82.178,16.047) v1(82.178,16.047) 83.05,16.048 U1.38@83.051,16.049 ; D7.6@96.285,26.609 96.639,26.609 96.639,26.628 96.701,26.69 97.352,26.69 97.441,26.601 97.441,26.148 97.559,26.03 99.177,26.03 99.206,26.059 99.571,26.059 99.771,26.26 99.771,27.405 99.861,27.495 100.449,27.495 R46.2@100.487,27.457 ; v1(96.314,25.991) 96.314,26.343 96.55,26.579 D7.6@96.596,26.579
  Bottom Layer w0.152: v1(82.178,16.047) 82.256,16.047 82.406,15.897 90.713,15.897 90.858,16.042 92.541,16.042 92.837,16.338 92.837,18.48 94.302,19.945 96.145,19.945 96.314,20.114 v1(96.314,25.991)
GPIO21: D3.4 J3.3 R30.2 R55.2 U1.42 U3.1 U8.5 | length 80.4
  Top Layer w0.152: R55.2@79.248,18.792 79.248,19.166 79.496,19.414 80.532,19.414 80.899,19.781 v2(80.899,20.244) ; v1(80.438,14.487) 80.468,14.457 83.043,14.457 U1.42@83.051,14.449 ; U3.1@89.823,35.075 89.819,35.072 89.819,34.422 89.275,33.877 89.275,30.41 89.998,29.687 92.04,29.687 92.532,29.195 92.532,26.01 92.837,25.705 94.463,25.705 ; U8.5@94.463,26.856 94.463,25.705 ; v1(100.775,22.781) 100.775,22.719 100.487,22.43 R30.2@100.487,22.428 100.462,22.453 100.113,22.453 99.894,22.233 97.888,22.233 97.733,22.077 97.733,21.832 97.551,21.651 D3.4@96.285,21.651 96.234,21.703 95.646,21.703 94.463,22.886 94.463,25.705
  Bottom Layer w0.152: v1(80.438,14.487) 80.492,14.433 80.492,13.681 ; v2(80.899,20.244) 81.128,20.015 J3.3@81.128,19.583 ; J3.3@81.123,19.219 81.123,18.797 81.123,18.39 80.951,18.218 80.951,18.212 79.859,17.12 78.709,17.12 78.41,16.821 78.41,16.74 78.402,16.732 78.402,13.927 78.648,13.681 80.492,13.681 ; v1(100.775,22.781) 100.775,16.748 100.202,16.174 100.202,9.202 99.085,8.085 87.236,8.085 86.944,8.377 86.944,12.595 85.858,13.681 80.492,13.681
GPIO22: D4.6 J3.4 R31.2 R57.2 U1.39 U3.2 U8.6 | length 57.6
  Top Layer w0.152: R57.2@78.486,17.987 78.486,17.497 80.04,17.497 v1(80.93,16.608) 80.93,16.6 81.164,16.366 81.164,15.947 81.461,15.649 U1.39@83.051,15.649 ; 90.035,34.003 89.662,33.63 89.662,30.759 90.17,30.252 92.557,30.252 93.218,29.591 93.218,28.635 93.212,28.629 93.266,28.575 ; 90.035,34.004 90.223,34.191 U3.2@90.223,35.075 ; U8.6@93.193,26.856 93.218,26.882 93.218,28.575 93.266,28.575 ; D4.6@96.285,23.168 97.447,23.168 97.575,23.04 97.575,22.61 v1(97.602,22.582) 99.812,22.582 99.99,22.761 99.99,23.193 100.113,23.316 R31.2@100.486,23.316 ; D4.6@96.285,23.18 95.616,23.18 95.174,23.622 95.174,28.068 94.667,28.575 93.266,28.575
  Bottom Layer w0.152: v1(78.486,17.538) 78.506,17.518 79.746,17.518 80.646,18.419 J3.4@80.646,19.572 ; v1(80.93,16.608) 80.955,16.582 81.368,16.582 81.457,16.492 81.457,15.8 81.665,15.592 90.571,15.592 90.948,15.215 92.956,15.215 93.599,15.858 93.599,17.758 94.931,19.091 96.724,19.091 97.602,19.969 v1(97.602,22.582)
GPIO23: CD1.3 D2.3 R16.1 R27.2 R36.2 U1.36 | length 60.7
  Top Layer w0.152: CD1.3@77.105,33.761 77.105,32.623 77.572,32.156 77.572,31.166 77.422,31.016 R16.1@77.04,31.016 77.04,20.75 77.55,20.24 79.955,20.24 80.122,20.406 80.122,20.582 80.457,20.917 81.267,20.917 81.695,20.489 81.695,19.956 82.608,19.042 82.608,17.986 ; v1(82.305,17.827) 82.387,17.827 82.547,17.986 82.608,17.986 ; R36.2@83.082,17.986 82.608,17.986 ; R36.2@83.083,17.937 83.083,17.501 83.457,17.127 U1.36@83.728,17.127 ; D2.3@98.735,14.793 99.567,14.793 99.75,14.609 99.873,14.609 99.954,14.529 R27.2@100.487,14.529
  Bottom Layer w0.152: v1(82.305,17.827) 82.297,17.819 81.971,17.819 81.732,17.579 80.749,17.579 80.043,16.873 80.043,15.448 80.826,14.665 82.412,14.665 82.98,14.097 85.914,14.097 87.351,12.661 87.351,8.617 87.57,8.398 98.845,8.398 99.803,9.357 99.803,14.591 v1(99.821,14.609)
GPIO25: D2.4 R29.2 U1.14 | length 16.4
  Top Layer w0.152: U1.14@88.805,12.449 91.056,12.449 92.243,11.262 v1(94.71,11.262) ; D2.4@96.285,14.793 97.014,14.793 97.254,15.033 v1(97.316,15.033) 97.316,15.057 97.679,15.42 100.434,15.42 R29.2@100.487,15.367
  Bottom Layer w0.152: v1(94.71,11.262) 95.209,11.262 96.578,12.631 96.578,14.928 96.667,15.017 97.3,15.017 v1(97.316,15.033)
GPIO26: D5.1 R34.2 U1.15 | length 15.9
  Top Layer w0.152: U1.15@88.805,12.849 88.813,12.842 89.104,12.842 89.115,12.831 91.182,12.831 92.297,11.716 v1(94.331,11.716) ; v1(97.687,16.106) 97.745,16.164 98.382,16.164 98.54,16.322 99.49,16.322 99.695,16.527 99.695,16.929 99.835,17.069 R34.2@100.487,17.069
  Bottom Layer w0.152: v1(94.331,11.716) 94.901,11.716 96.19,13.005 96.19,15.113 96.571,15.494 97.15,15.494 97.687,16.031 v1(97.687,16.106)
GPIO27: D4.4 R44.2 U1.16 | length 28.1
  Top Layer w0.152: U1.16@88.805,13.249 91.329,13.249 92.409,12.169 v1(93.891,12.169) ; D4.4@96.235,25.08 97.32,25.08 97.409,25.169 97.409,25.625 97.498,25.715 99.042,25.715 99.049,25.708 99.22,25.708 v1(99.267,25.66) ; v1@99.283,25.726 100.304,25.726 100.487,25.908 R44.2@100.487,26.289
  Bottom Layer w0.152: v1(93.891,12.169) 94.62,12.169 95.815,13.364 95.815,16.17 96.681,17.036 98.427,17.036 98.836,17.445 98.836,25.571 98.926,25.66 v1(99.267,25.66)
GPIO32: D4.1 R33.2 R56.2 U1.12 | length 28.9
  Top Layer w0.152: U1.12@88.128,11.372 88.128,11.396 88.147,11.415 88.488,11.415 89.321,10.581 90.032,10.581 R56.2@90.047,10.566 90.046,10.565 v1(90.046,9.974) ; D4.1@98.738,23.183 99.555,23.183 99.691,23.319 99.691,23.501 99.975,23.785 v1(99.975,23.864) 100.033,23.922 100.154,23.922 100.461,24.229 R33.2@100.461,24.232
  Bottom Layer w0.152: v1(90.046,9.974) 90.046,9.597 90.194,9.449 98.251,9.449 98.597,9.795 98.597,15.431 99.978,16.812 v1@99.978,23.825 ; v1(99.975,23.864) v1@99.978,23.867
GPIO33: D4.3 R41.2 R54.2 U1.13 | length 28.6
  Top Layer w0.152: U1.13@88.805,12.049 88.805,11.779 89.201,11.383 R54.2@90.046,11.383 ; R54.2@90.047,11.379 90.047,11.381 90.51,11.844 91.18,11.844 91.671,11.353 91.671,9.859 v1(91.677,9.853) ; D4.3@98.735,25.08 98.741,25.074 100.42,25.074 R41.2@100.426,25.08
  Bottom Layer w0.152: v1(91.677,9.853) 97.393,9.853 97.779,10.239 97.779,15.485 99.24,16.946 99.24,25.071 v1(99.237,25.074)
GPIO34: D7.4 R52.2 U1.10 | length 43
  Top Layer w0.152: U1.10@87.328,11.372 87.328,11.099 87.351,11.076 87.351,10.465 87.916,9.901 v1(87.916,9.896) ; D7.4@96.285,28.509 96.285,29.545 96.379,29.639 v1(98.277,29.639) 98.281,29.635 98.977,29.635 99.288,29.946 99.288,30.782 99.519,31.013 R52.2@100.487,31.013
  Bottom Layer w0.152: v1(87.916,9.896) 87.916,8.946 88.11,8.752 98.627,8.752 99.396,9.521 99.396,9.551 99.396,15.8 100.388,16.791 100.388,27.318 100.273,27.432 99.118,27.432 98.277,28.273 v1(98.277,29.639)
GPIO35: D2.6 R18.2 U1.11 | length 21
  Top Layer w0.152: U1.11@87.728,11.372 87.736,11.365 87.736,10.807 v1(88.649,9.895) ; D2.6@96.285,12.893 96.285,12.251 96.421,12.115 100.338,12.115 100.487,12.263 R18.2@100.487,12.649
  Bottom Layer w0.152: v1(88.649,9.895) 88.649,9.24 88.783,9.105 98.45,9.105 98.992,9.648 98.992,12.098 v1(99.01,12.115)
GPIO36: D2.1 R22.2 U1.5 | length 28
  Top Layer w0.152: U1.5@85.328,11.372 85.334,11.366 85.334,10.744 v1(85.34,10.738) ; D2.1@98.685,12.893 99.587,12.893 99.714,13.021 99.714,13.449 99.804,13.538 R22.2@100.487,13.538 100.645,13.696 100.645,13.792 100.886,14.034 v1(100.896,14.034)
  Bottom Layer w0.152: v1@85.34,10.738 85.34,7.97 85.942,7.368 99.499,7.368 100.896,8.766 v1(100.896,14.034)
GPIO38: CD1.7 D5.6 R19.1 R32.2 R37.2 U1.7 | length 87.1
  Top Layer w0.152: R19.1@72.95,31.016 R19.1@72.949,31.014 ; v1(76.186,13.474) 76.186,28.716 75.438,29.464 73.533,29.464 72.949,30.048 R19.1@72.949,31.014 ; R37.2@84.811,32.694 84.811,31.875 84.345,31.409 81.2,31.409 80.099,32.51 80.099,35.014 79.56,35.553 73.272,35.553 72.705,34.986 CD1.7@72.705,33.761 72.695,33.751 72.695,32.537 72.486,32.328 72.486,31.146 72.619,31.013 72.948,31.013 R19.1@72.949,31.014 ; U1.7@86.128,11.372 86.121,11.365 86.121,11.073 86.114,11.066 86.114,9.968 86.188,9.893 86.188,8.044 86.359,7.873 v1(86.359,7.802) ; D5.6@96.235,16.322 97.026,16.322 97.142,16.206 97.142,15.814 97.232,15.725 99.778,15.725 99.929,15.875 99.929,16.129 100.063,16.264 100.479,16.264 R32.2@100.487,16.256 ; R32.2@100.487,16.254 100.775,15.965 v1(100.775,15.903)
  Bottom Layer w0.152: v1(76.186,13.474) 76.588,13.072 85.48,13.072 86.109,12.443 86.109,8.052 86.417,7.744 86.588,7.744 86.6,7.732 99.262,7.732 100.507,8.976 100.507,15.634 v1(100.775,15.903)
GPIO39: J3.5 U1.8 | length 18.8
  Top Layer w0.152: v1(86.522,10.731) 86.525,10.734 86.525,11.341 U1.8@86.522,11.344
  Bottom Layer w0.152: J3.5@80.128,19.553 80.128,18.76 79.757,18.39 78.572,18.39 78.105,17.922 78.105,16.867 78.097,16.858 78.097,13.597 78.317,13.377 85.702,13.377 86.551,12.528 86.551,10.759 v1(86.522,10.731)